# Altium PCB Kasli-DIOT.PCBDOC (part 11 of 21)
Units mm, origin at the board's own origin, x right, y up, seen from the top; angles counter-clockwise.
Board outline 222.34 x 100 mm, 10 copper layers (TopLayer, Layer 2, Layer 3, Layer 4, Layer 5, Layer 6, Layer 7, layer 8, Layer 9, BottomLayer), stack 1.564 mm thick; 974 components, 908 nets, 4662 pads, 2649 vias.
Unrouted connection lines stored in the file: 17.
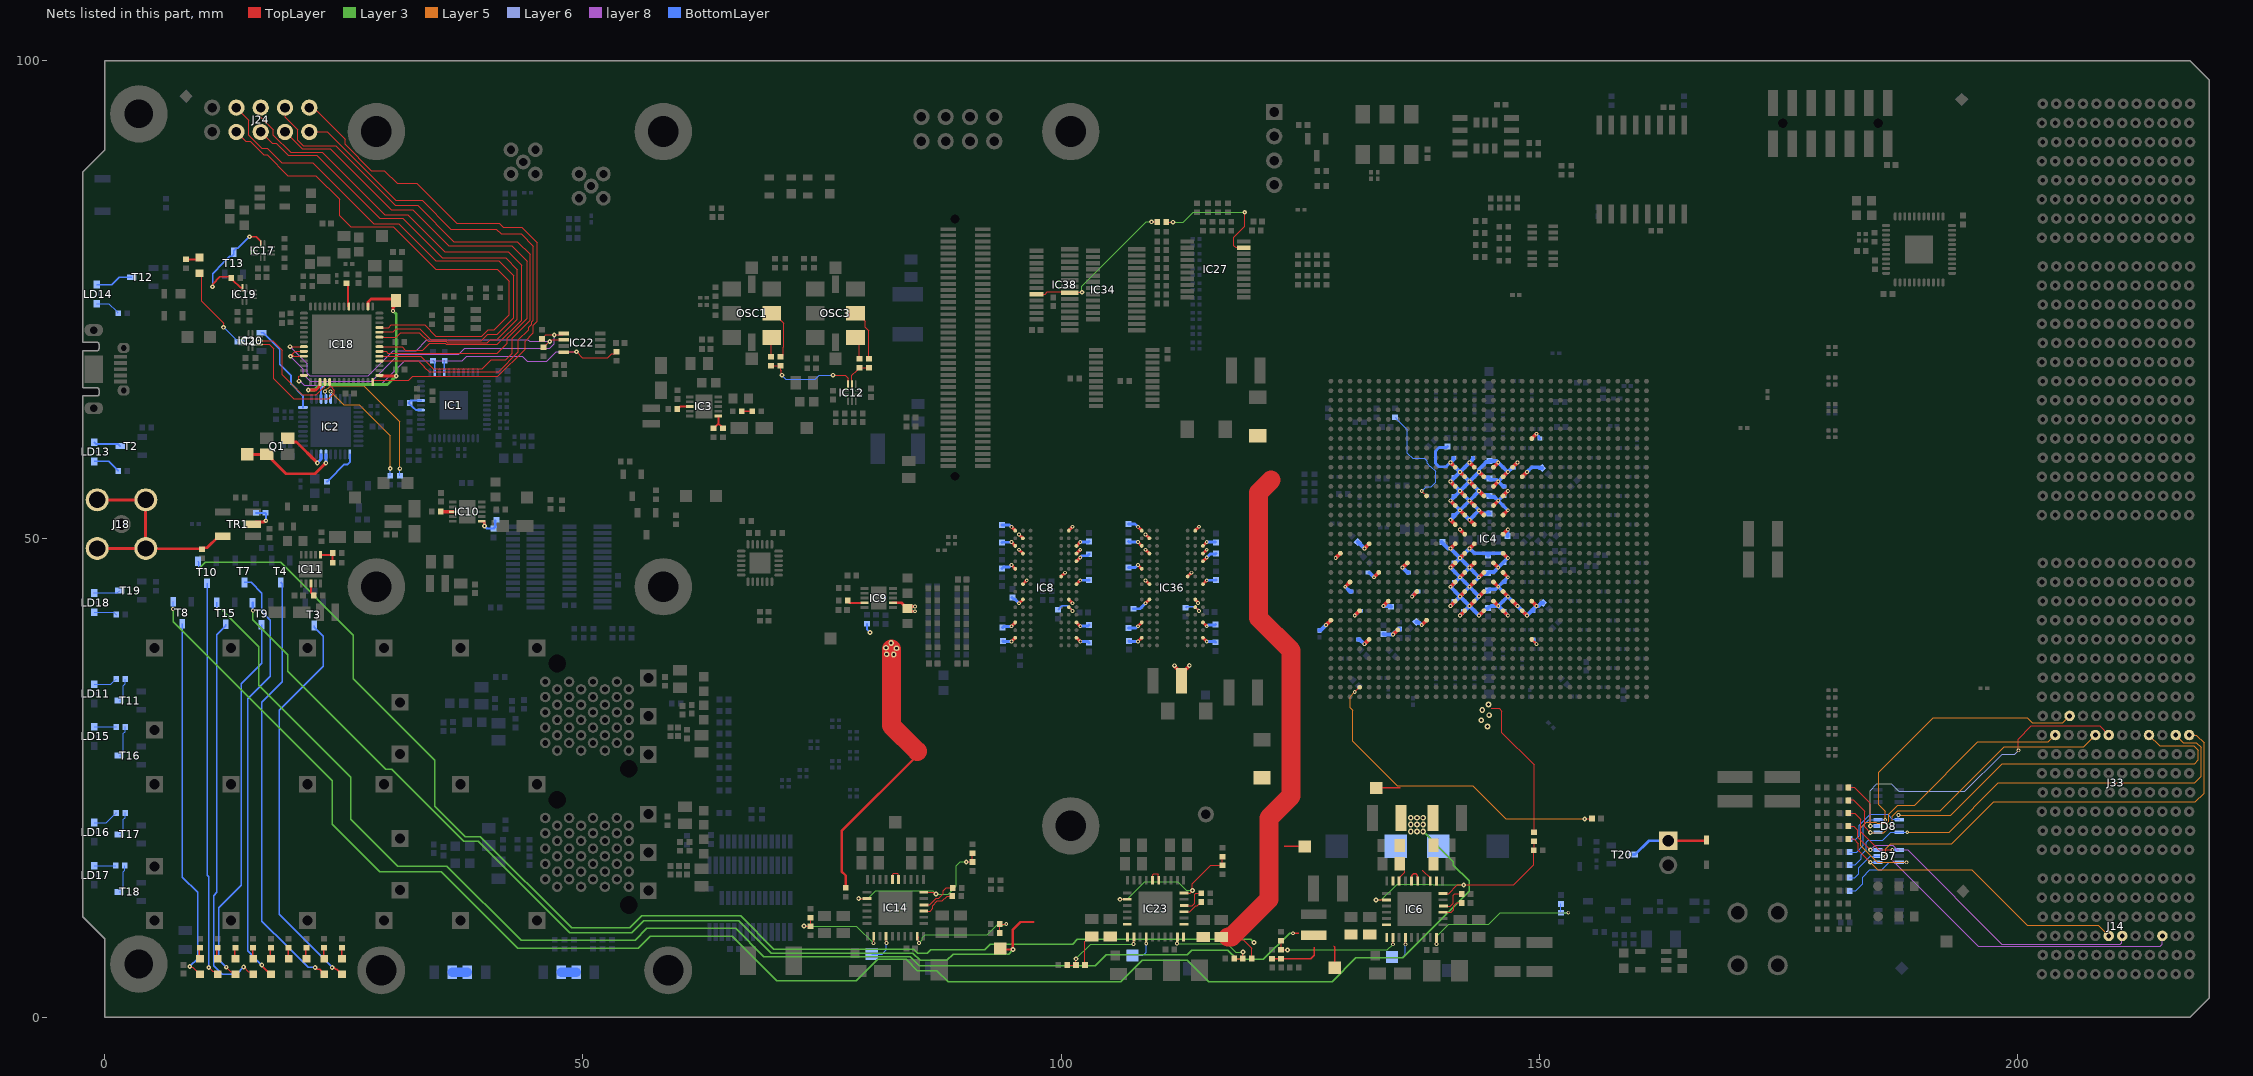
[diagram p19: the nets of this part, all layers, seen from the top]

## Via types
v1: diameter 0.4, hole 0.2, TopLayer to BottomLayer, tented both sides, 1661 vias
v2: diameter 0.5, hole 0.2, TopLayer to BottomLayer, tented both sides, 516 vias
v3: diameter 0.6, hole 0.3, TopLayer to BottomLayer, tented both sides, 175 vias
v4: diameter 0.6, hole 0.3, TopLayer to BottomLayer, 113 vias
v5: diameter 0.5, hole 0.2, TopLayer to BottomLayer, 110 vias
v6: diameter 0.4, hole 0.2, TopLayer to BottomLayer, 67 vias
v7: diameter 0.8, hole 0.5, TopLayer to BottomLayer, tented both sides, 7 vias

## Nets (pads, with @x,y where several pads share a name; then routed paths per layer and width w, separated by ;. In a path a pad name is that pad's centre, name@x,y a point inside that pad or via, vN(x,y) a via of type N, cw(c..) or ccw(c..) an arc to the next point about the centre after c; other vN are vias at no path point) (continued)
NetD7_1: D7.1 J14.C3 R276.2 | length 41.7
  TopLayer w0.127: R276.2@182.315,21.326 182.974,21.326 183.617,20.683 183.617,19.383 185.5,17.5 v1(186.9,17.5)
  layer 8 w0.1: v1(186.9,17.5) 186.9,16.4 195.9,7.4 214.9,7.4 215.139,7.639 J14.C3@215.139,8.5
  BottomLayer w0.127: v1(186.9,17.5) 187.616,17.5 D7.1@187.625,17.491
NetD7_3: D7.3 J33.K7 R272.2 | length 39.9
  Layer 5 w0.1: v1(188.391,16.191) 185.309,16.191 183.6,17.9 183.6,19.8 184.2,20.4 185.19,20.4 185.33,20.259 186.323,20.259 186.541,20.477 186.541,21.241 187.456,22.156 189.223,22.156 195.84,28.773 203.212,28.773 J33.K7@203.939,29.5
  BottomLayer w0.127: R272.2@182.47,13.2 183.075,13.2 183.8,13.925 183.8,14.641 184.559,15.4 185.8,15.4 186.591,16.191 D7.3@187.625,16.191 v1(188.391,16.191)
NetD7_4: D7.4 J14.G3 R280.2 | length 32.7
  TopLayer w0.127: R280.2@182.315,18.629 182.87,18.629 183.346,18.154 183.346,17.454 v2(184.6,16.2)
  Layer 5 w0.1: v2(184.6,16.2) 185.4,15.4 195.2,15.4 201,9.6 208.439,9.6 J14.G3@209.539,8.5
  BottomLayer w0.127: v2(184.6,16.2) 185.416,16.2 D7.4@185.425,16.191
NetD7_5: D7.5 J33.A7 R262.2 | length 48.7
  Layer 5 w0.1: v1(186.2,16.8) 186.2,17.6 186.725,18.125 193.125,18.125 197.5,22.5 218.6,22.5 219.5,23.4 219.5,28.7 218.7,29.5 J33.A7@217.939,29.5
  BottomLayer w0.127: R262.2@182.47,14.6 183,14.6 183.4,15 183.4,15.625 184.616,16.841 D7.5@185.425,16.841 185.466,16.8 v1(186.2,16.8)
NetD7_6: D7.6 J14.F3 R279.2 | length 36.1
  TopLayer w0.127: R279.2@182.315,19.978 182.844,19.978 183.264,19.557 183.264,18.836 v2(184.6,17.5)
  layer 8 w0.1: v2(184.6,17.5) 185.1,18 186.933,18 187.433,17.5 188.5,17.5 198.35,7.65 210.723,7.65 210.873,7.8 210.873,8.434 J14.F3@210.939,8.5
  BottomLayer w0.127: v2(184.6,17.5) 185.416,17.5 D7.6@185.425,17.491
NetD8_1: D8.1 J33.D7 R266.2 | length 48.1
  Layer 5 w0.1: v1(187.535,21.123) 193.023,21.123 198.4,26.5 218.5,26.5 218.9,26.9 218.9,27.9 218.4,28.4 214.839,28.4 J33.D7@213.739,29.5
  BottomLayer w0.127: R266.2@182.47,18.614 183.084,18.614 183.454,18.984 183.454,20.079 184.575,21.2 186.4,21.2 186.896,20.704 187.488,20.704 187.523,20.739 D8.1@187.625,20.636 ; D8.1@187.535,20.773 v1(187.535,21.123)
NetD8_3: D8.3 J33.B7 R263.2 | length 47.5
  Layer 5 w0.1: v1(188.464,19.336) 192.836,19.336 198,24.5 218.5,24.5 219.2,25.2 219.2,28.2 218.7,28.7 217.339,28.7 J33.B7@216.539,29.5
  BottomLayer w0.127: R263.2@182.47,15.921 183.021,15.921 183.65,16.55 183.65,16.975 184.169,17.494 184.169,18.295 184.374,18.5 185.9,18.5 186.736,19.336 D8.3@187.625,19.336 v1(188.464,19.336)
NetD8_4: D8.4 J33.H7 R269.2 | length 33.7
  TopLayer w0.127: R269.2@182.315,22.674 182.348,22.708 182.803,22.708 184,21.511 184,19.9 v2(184.6,19.3)
  Layer 5 w0.1: v2(184.6,19.3) 186,19.3 186.9,20.2 186.9,21.022 187.484,21.605 191.905,21.605 198.6,28.3 206.939,28.3 J33.H7@208.139,29.5
  BottomLayer w0.127: v2(184.6,19.3) 185.389,19.3 D8.4@185.425,19.336
NetD8_5: D8.5 J33.G7 R268.2 | length 39.4
  TopLayer w0.1: v1(200.1,27.9) 200.045,27.955 200.045,29.045 201.444,30.444 208.595,30.444 J33.G7@209.539,29.5
  TopLayer w0.127: R268.2@182.315,24.019 182.936,24.019 184.6,22.355 v2(184.6,20)
  Layer 6 w0.1: v2(184.6,20) 184.6,23.7 185.3,24.4 186.766,24.4 187.566,23.6 194.5,23.6 198.4,27.5 199.7,27.5 v1(200.1,27.9)
  BottomLayer w0.127: v2(184.6,20) 185.411,20 D8.5@185.425,19.986
NetD8_6: D8.6 J33.J8 R271.2 | length 34.4
  Layer 5 w0.1: v1(186.164,20.636) 186.164,21.536 185.5,22.2 185.5,25.6 191.2,31.3 201,31.3 201.527,30.773 204.712,30.773 J33.J8@205.439,31.5
  BottomLayer w0.127: R271.2@182.47,17.268 183.168,17.268 183.875,17.975 183.875,20.075 184.436,20.636 D8.6@185.425,20.636 v1(186.164,20.636)
NetD18_2: D18.2 J21.1 T20.3 | length 8.3
  TopLayer w0.3: J21.1@163.477,18.445 167.395,18.445 D18.2@167.475,18.525
  BottomLayer w0.3: T20.3@159.8,17 160,17 161.445,18.445 J21.1@163.477,18.445
NetIC1_24: IC1.24 R8.1 | length 1.3
  BottomLayer w0.19: R8.1@34.325,68.63 34.5,68.455 IC1.24@34.5,67.428
NetIC1_26: IC1.26 R7.1 | length 1.2
  BottomLayer w0.19: R7.1@35.475,68.63 35.5,68.605 IC1.26@35.5,67.428
NetIC2_1: IC2.1 R22.2 | length 4.1
  BottomLayer w0.2: R22.2@23.241,55.996 23.261,55.996 23.451,56.186 23.451,56.206 25.045,57.8 25.388,57.8 25.622,58.034 IC2.1@25.622,58.849
NetIC2_6: IC2.6 Q1.3 TP1.1 | length 10.4
  TopLayer w0.125: v2@23.064,57.989 v2@23.114,58.039
  TopLayer w0.3: TP1.1@15.05,58.85 16.924,58.85 Q1.3@16.934,58.84 18.953,56.821 21.996,56.821 v2(23.114,57.939)
  BottomLayer w0.3: v2(23.114,57.939) 23.122,57.947 IC2.6@23.122,58.849
NetIC2_7: IC2.7 Q1.1 | length 5.2
  TopLayer w0.3: Q1.1@19.134,60.495 19.502,60.127 20.057,60.127 v2@22.215,57.969
  BottomLayer w0.3: v2(22.225,57.939) 22.622,58.336 IC2.7@22.622,58.849
NetIC2_18: IC2.18 T1.1 | length 9.7
  BottomLayer w0.2: T1.1@16.39,71.562 16.59,71.562 18.3,69.852 18.3,68.275 19.487,67.088 19.487,66.213 20.722,64.978 IC2.18@20.722,63.749
NetIC2_21: IC2.21 R17.2 | length 1.4
  BottomLayer w0.2: IC2.21@22.622,64.649 22.6,64.671 22.6,65.995 R17.2@22.622,66.017
NetIC2_22: IC2.22 R237.2 | length 16
  Layer 5 w0.125: v1(23.025,65.425) 23.623,66.023 27.102,66.023 30.851,62.274 v2(30.851,57.349)
  BottomLayer w0.125: IC2.22@23.1,64.671 v1@23.1,65.35 ; R237.2@30.851,56.62 v2(30.851,57.349)
NetIC2_23: IC2.23 R236.2 | length 13.1
  Layer 5 w0.125: v1(23.606,65.411) 24.967,64.05 25.995,64.05 25.999,64.046 26.363,64.046 26.367,64.05 26.6,64.05 29.85,60.8 v2(29.85,57.375)
  BottomLayer w0.125: v1(23.606,65.411) 23.622,65.395 IC2.23@23.622,64.649 ; R236.2@29.85,56.62 v2(29.85,57.375)
NetIC3_3: IC3.3 R54.2 | length 1.4
  TopLayer w0.2: R54.2@59.87,63.6 59.87,63.62 60.06,63.81 60.137,63.81 60.177,63.85 IC3.3@61.15,63.85
NetIC3_6: IC3.6 R248.1 R251.2 | length 2.2
  TopLayer w0.2: R251.2@63.65,61.57 63.67,61.57 63.86,61.76 63.86,61.78 64.15,62.07 ; IC3.6@64.15,62.85 64.15,62.07 ; R248.1@64.65,61.57 64.63,61.57 64.44,61.76 64.44,61.78 64.15,62.07
NetIC4_AH22: IC4.AH22 R160.1 | length 1.4
  TopLayer w0.254: IC4.AH22@149.2,39.5 v1(149.7,39)
  BottomLayer w0.254: R160.1@149.37,39.5 149.39,39.5 149.473,39.417 149.473,39.267 149.7,39.04 v1(149.7,39)
NetIC4_AN4: IC4.AN4 R292.1 | length 34.6
  TopLayer w0.095: v1(130.7,34) IC4.AN4@131.2,34.5
  TopLayer w0.127: v2(154.747,20.732) 155.477,20.732 R292.1@155.501,20.756
  Layer 5 w0.127: v1(130.7,34) 130.225,33.525 130.225,32.35 130.475,32.1 130.475,28.84 135.136,24.179 143.011,24.179 146.458,20.732 v2(154.747,20.732)
NetIC4_G22: IC4.G22 R161.1 | length 1.4
  TopLayer w0.4: IC4.G22@149.2,60.5 v1(149.7,61)
  BottomLayer w0.254: v1(149.7,61) 149.7,60.96 149.927,60.733 149.927,60.583 150.01,60.5 R161.1@150.03,60.5
NetIC4_N11: IC4.N11 R52.2 | length 11.8
  TopLayer w0.095: v1(137.7,55) IC4.N11@138.2,54.5
  BottomLayer w0.095: R52.2@134.921,62.704 135.162,62.462 135.162,62.442 136.208,61.397 136.208,58.962 136.745,58.425 137.975,58.425 138.26,58.14 138.26,57.91 138.545,57.626 138.604,57.626 139.175,57.055 139.175,55.945 138.681,55.452 138.152,55.452 v1(137.7,55)
NetIC6_3: IC6.3 R21.2 | length 2.6
  TopLayer w0.1: IC6.3@139.925,10.967 140.792,10.967 141.041,11.216 141.041,11.641 141.354,11.954 R21.2@141.86,11.954
NetIC6_4: IC6.4 R27.2 | length 2.9
  TopLayer w0.1: IC6.4@139.962,11.605 140.68,11.605 141,11.925 141,12.725 141.161,12.886 R27.2@141.86,12.886
NetIC6_6: IC6.6 IC6.18 R16.1 R24.2 | length 24.2
  TopLayer w0.127: v2(132.914,12.258) 132.919,12.263 133.996,12.263 IC6.18@134,12.267 ; IC6.6@139.925,12.925 140.525,12.925 141.422,13.822 147.322,13.822 149.422,15.922 R24.2@149.422,17.455 149.442,17.475 R16.1@149.442,18.385
  Layer 3 w0.127: v2(132.914,12.258) 133.483,12.258 135.129,13.904 138.81,13.904 138.892,13.822 v2(142.093,13.822)
NetIC6_11: IC6.11 IC6.12 | length 1.9
  TopLayer w0.16: IC6.12@136.638,14.255 136.68,14.297 136.68,14.844 136.811,14.975 137.112,14.975 137.244,14.843 137.244,14.298 IC6.11@137.288,14.255
NetIC6_24: IC6.24 R37.2 R39.1 | length 13.6
  TopLayer w0.127: R37.2@122.986,7.985 R39.1@122.986,7.05 123.011,7.025 v2(123.65,7.025) ; IC6.24@134.688,8.33 134.694,8.323 134.694,7.624 v1(134.7,7.617)
  Layer 3 w0.127: v2(123.65,7.025) 134.108,7.025 v1(134.7,7.617)
NetIC6_26: IC6.26 TP5.1 | length 3.3
  TopLayer w0.127: IC6.26@135.988,8.33 135.994,8.323 135.994,7.624 v1(136,7.617)
  BottomLayer w0.127: TP5.1@134.602,6.29 135.69,6.29 136,6.6 v1(136,7.617)
NetIC6_31: IC6.31 R31.1 R32.2 | length 18
  TopLayer w0.127: v1(139.239,7.635) IC6.31@139.237,8.33
  Layer 3 w0.127: v1(139.239,7.635) 139.239,8.414 140.55,9.725 144.725,9.725 145.925,10.925 v1(153.025,10.925)
  BottomLayer w0.127: R31.1@152.25,11.835 R32.2@152.25,10.925 v1(153.025,10.925)
NetIC8_L8: IC8.L8 R99.2 | length 2.5
  TopLayer w0.22: IC8.L8@100.8,42.875 100.8,42.878 v1(101.2,42.478)
  BottomLayer w0.15: R99.2@99.675,42.62 99.695,42.62 99.91,42.835 99.91,42.855 100.087,43.032 100.645,43.032 v1(101.2,42.478)
NetIC9_9: IC9.9 R127.1 | length 1.5
  TopLayer w0.2: R127.1@77.889,43.325 IC9.9@79.419,43.325
NetIC10_3: IC10.3 R253.2 | length 1.3
  TopLayer w0.4: R253.2@35.12,52.85 IC10.3@36.4,52.85
NetIC10_6: IC10.6 R254.1 R256.1 | length 2.7
  TopLayer w0.25: IC10.6@39.4,51.85 39.65,51.85 39.675,51.825 39.675,51.575 39.7,51.55 v2(39.7,51.35)
  BottomLayer w0.25: v2(39.7,51.35) 39.707,51.35 39.962,51.095 R256.1@40.625,51.095 ; R256.1@40.645,51.095 40.81,51.26 40.81,51.39 40.826,51.406 R254.1@40.826,51.889
NetIC11_3: IC11.3 R56.2 | length 1.4
  TopLayer w0.2: IC11.3@21.55,45.337 21.55,44.387 21.83,44.107 R56.2@21.83,44.087
NetIC11_6: IC11.6 R250.1 R252.1 | length 2.1
  TopLayer w0.2: IC11.6@22.553,48.265 22.553,48.275 22.603,48.325 R250.1@23.643,48.325 ; R252.1@23.833,47.515 R250.1@23.833,48.515
NetIC12_4: IC12.4 R97.1 R98.2 | length 3
  TopLayer w0.125: IC12.4@78.125,66.2 78.125,67.105 78.653,67.633 78.653,67.653 78.88,67.88 R98.2@78.9,67.88 R97.1@79.9,67.88
NetIC12_5: IC12.5 R36.1 R38.2 | length 10
  TopLayer w0.125: R38.2@69.675,68.105 R36.1@70.675,68.105 70.675,67.627 70.74,67.562 70.74,67.185 v2(70.8,67.125) ; v2(76.15,67.125) 76.175,67.1 77.4,67.1 77.712,66.788 77.712,66.213 IC12.5@77.725,66.2
  BottomLayer w0.125: v2(70.8,67.125) 71.202,66.723 74.282,66.723 74.684,67.125 v2(76.15,67.125)
NetIC14_3: IC14.3 R48.2 | length 3.8
  TopLayer w0.1: IC14.3@85.637,11.1 86.3,11.1 86.575,11.375 86.575,11.675 87.05,12.15 87.575,12.15 88.075,12.65 R48.2@88.63,12.65
NetIC14_4: IC14.4 R51.2 | length 3.9
  TopLayer w0.1: IC14.4@85.675,11.738 86.238,11.738 86.919,12.419 87.194,12.419 87.679,12.904 87.679,13.196 88.009,13.525 R51.2@88.68,13.525
NetIC14_6: IC14.6 IC14.18 R47.2 R49.1 | length 18.2
  TopLayer w0.127: v2(78.825,12.4) IC14.18@79.712,12.4 ; IC14.6@85.637,13.058 86.616,13.058 86.799,12.875 v2(86.9,12.875) ; v2(90.075,16.225) R47.2@90.725,16.225 R49.1@90.725,17.16
  Layer 3 w0.127: v2(78.825,12.4) 78.866,12.441 79.815,12.441 80.588,13.213 86.562,13.213 v2(86.9,12.875) 88.2,12.875 89.05,13.725 89.05,15.825 89.45,16.225 v2(90.075,16.225)
NetIC14_11: IC14.11 IC14.12 | length 1.8
  TopLayer w0.127: IC14.12@82.35,14.388 82.399,14.437 82.399,14.966 82.474,15.04 82.876,15.04 82.951,14.966 82.951,14.437 IC14.11@83,14.388
NetIC14_24: IC14.24 R62.1 R64.2 | length 10.4
  TopLayer w0.127: v2(73.1,9.525) 73.791,9.525 73.806,9.54 R64.2@73.806,10.475 ; v1(80.38,7.737) 80.39,7.747 80.39,8.452 IC14.24@80.4,8.463
  Layer 3 w0.127: v2(73.1,9.525) 78.591,9.525 v1(80.38,7.737)
NetIC14_26: IC14.26 TP34.1 | length 3.1
  TopLayer w0.127: IC14.26@81.7,8.463 81.711,8.452 81.711,7.774 v1(81.721,7.764)
  BottomLayer w0.127: TP34.1@80.2,6.6 81.275,6.6 81.721,7.046 v1(81.721,7.764)
NetIC14_31: IC14.31 R156.1 R157.2 | length 12.5
  TopLayer w0.127: IC14.31@84.95,8.463 85.036,8.376 85.036,7.946 85.137,7.845 v6(85.137,7.771) ; R156.1@93.57,8.8 93.595,8.825 R157.2@93.595,9.75 93.616,9.729 v6(94.26,9.729)
  Layer 3 w0.127: v6(85.137,7.771) 85.477,8.111 85.477,8.312 85.765,8.6 92.25,8.6 93.325,9.675 93.701,9.675 93.776,9.6 93.881,9.6 93.958,9.677 94.208,9.677 v6(94.26,9.729)
NetIC17_2: IC17.2 IC19.2 R194.1 T13.3 | length 13.7
  TopLayer w0.15: v2(11.275,76.375) 11.275,76.652 12.023,77.4 R194.1@13.175,77.4 ; R194.1@13.208,77.125 13.35,77.125 14.21,76.265 IC19.2@14.405,76.265 ; v2(15.125,81.6) 15.85,81.6 16.31,81.14 IC17.2@16.31,80.837
  BottomLayer w0.15: v2(11.275,76.375) 11.275,77.75 12.412,78.888 ; v2(15.125,81.6) 13.909,80.384 13.725,80.384 13.5,80.159 T13.3@13.5,79.975 13.5,79.791 13.275,79.566 13.091,79.566 ; 12.412,78.888 13.091,79.566 ; 12.412,78.888 13.091,79.566
NetIC18_6: IC18.6 R199.2 | length 2.5
  TopLayer w0.2: R199.2@25.273,76.746 25.444,76.575 25.444,74.379 IC18.6@25.515,74.308
NetIC18_22: IC18.22 IC22.6 R207.1 | length 34.5
  TopLayer w0.125: v2(19.383,70.108) IC18.22@20.815,70.108 ; R207.1@45.85,70.1 45.964,70.1 46.689,70.825 IC22.6@48,70.825
  layer 8 w0.125: v2(19.383,70.108) 21.175,68.316 21.175,67.35 21.45,67.075 27.525,67.075 30.15,69.7 32.55,69.7 33.675,70.825 44.25,70.825 44.425,70.65 v2(46.525,70.65)
NetIC18_23: IC18.23 IC18.24 IC22.5 R206.1 | length 37.1
  TopLayer w0.125: 19.75,69.1 19.742,69.108 ; IC18.24@20.815,69.108 19.742,69.108 ; IC18.23@20.815,69.608 19.908,69.608 19.613,69.313 ; R206.1@45.95,71.15 45.95,71.155 46.132,71.338 v2(46.997,71.338) 47.862,71.338 IC22.5@48,71.475 ; 19.613,69.313 v2(19.408,69.108) 19.742,69.108 ; 19.613,69.313 19.613,69.237 19.742,69.108
  layer 8 w0.125: v2(19.408,69.108) 20.75,67.766 20.75,67.2 21.475,66.475 27.931,66.475 30.756,69.3 37,69.3 37.625,69.925 46.525,69.925 46.997,70.397 v2(46.997,71.338)
NetIC18_28: IC18.28 IC22.8 R208.2 | length 38.4
  TopLayer w0.125: v2(20.3,66.5) 20.3,67 20.375,67.075 20.782,67.075 IC18.28@20.815,67.108 ; IC22.8@48,69.525 48.05,69.575 v2(49.325,69.575) 49.95,68.95 52.6,68.95 52.993,69.343 53.272,69.343 R208.2@53.5,69.57
  layer 8 w0.125: v2(20.3,66.5) 20.3,66.625 20.877,66.048 28.78,66.048 31.369,68.638 37.363,68.638 37.825,69.1 43.65,69.1 44.173,68.577 46.199,68.577 47.197,69.575 v2(49.325,69.575)
NetIC18_32: IC18.32 IC20.9 | length 11.6
  TopLayer w0.125: IC20.9@16.14,70.739 17.586,70.739 18.575,69.75 18.575,67.15 19.095,66.63 20.65,65.075 22.127,65.075 23.015,65.963 IC18.32@23.015,66.408
NetIC18_33: IC18.33 IC20.8 | length 13.6
  TopLayer w0.125: IC20.8@16.14,70.339 17.211,70.339 17.675,69.875 17.675,66.775 19.775,64.675 23.418,64.675 23.994,65.25 23.994,65.571 23.515,66.05 IC18.33@23.515,66.408
NetIC18_42: IC18.42 J24.1 | length 59.1
  TopLayer w0.1: J24.1@21.387,95.098 21.852,95.098 25.15,91.8 25.15,91.254 27.879,88.525 29.225,88.525 30.575,87.175 32.625,87.175 36.8,83 41.236,83 41.65,82.586 43.586,82.586 45.225,80.947 45.225,72.75 44.825,72.35 44.825,71.55 43.95,70.675 43.95,69.85 41.1,67 32.2,67 31.781,66.581 28.021,66.581 28.015,66.575 IC18.42@28.015,66.408
NetIC18_46: IC18.46 J24.2 | length 56
  TopLayer w0.1: J24.2@21.387,92.558 23.242,92.558 30.4,85.4 33.2,85.4 36.2,82.4 40.936,82.4 41.437,81.899 43.526,81.899 44.825,80.6 44.825,72.875 44.65,72.7 44.65,72.462 44.325,72.137 44.325,71.9 43.25,70.825 43.25,69.55 41.175,67.475 33.923,67.475 33.425,67.973 33.425,67.992 32.792,68.625 28.732,68.625 IC18.46@28.715,68.608
NetIC18_47: IC18.47 J24.3 | length 59.4
  TopLayer w0.1: J24.3@18.847,95.098 18.847,94.113 20.2,92.76 20.2,91.7 20.775,91.125 24.15,91.125 30.375,84.9 32.7,84.9 36.5,81.1 43.15,81.1 44.491,79.759 44.491,72.891 42.6,71 42.6,69.425 41.913,68.738 40.43,68.738 39.467,67.775 34.355,67.775 33.022,69.108 IC18.47@28.715,69.108
NetIC18_48: IC18.48 J24.4 | length 54.2
  TopLayer w0.1: J24.4@18.847,92.558 20.629,90.775 23.571,90.775 29.946,84.4 32.2,84.4 35.95,80.65 42.562,80.65 44.15,79.062 44.15,73.058 42.086,70.994 42.086,70.467 41.045,69.425 29.6,69.425 29.417,69.608 IC18.48@28.715,69.608
NetIC18_49: IC18.49 J24.5 | length 57.2
  TopLayer w0.1: J24.5@16.307,95.098 16.307,94.113 17.625,92.795 17.625,92.224 19.424,90.425 22.725,90.425 29.25,83.9 31.7,83.9 35.575,80.025 42.187,80.025 43.586,78.626 43.586,72.862 41.063,70.339 35.73,70.339 35.616,70.452 33.961,70.452 33.259,69.75 31.437,69.75 31.087,70.1 28.723,70.1 IC18.49@28.715,70.108
NetIC18_51: IC18.51 J24.6 | length 54
  TopLayer w0.1: J24.6@16.307,92.558 17.495,91.37 17.955,91.37 19.2,90.125 22.176,90.125 28.751,83.55 31.15,83.55 35.287,79.413 41.901,79.413 43.15,78.164 43.15,72.991 41.012,70.852 40.302,70.852 39.989,70.539 35.812,70.539 35.699,70.652 33.798,70.652 32.9,71.55 30.942,71.55 30.5,71.108 IC18.51@28.715,71.108
NetIC18_52: IC18.52 J24.7 | length 57.3
  TopLayer w0.1: J24.7@13.767,95.098 15.075,93.789 15.075,92.234 16.434,90.875 16.975,90.875 18.525,89.325 21.725,89.325 28.1,82.95 30.75,82.95 34.625,79.075 41.207,79.075 42.766,77.516 42.766,73.125 41.03,71.389 40.039,71.389 39.389,70.739 35.895,70.739 35.782,70.852 34.073,70.852 32.95,71.975 30.5,71.975 30.175,71.65 28.757,71.65 IC18.52@28.715,71.608
NetIC18_53: IC18.53 J24.8 | length 54.6
  TopLayer w0.1: J24.8@13.767,92.558 14.727,91.597 15.203,91.597 16.65,90.15 17,90.15 19.15,88 22.062,88 24.55,85.512 24.55,83.779 25.697,82.632 30.154,82.632 34.586,78.2 41.02,78.2 42.273,76.947 42.273,73.429 40.723,71.878 40.073,71.878 39.396,71.201 34.624,71.201 33.45,72.375 29.942,72.375 29.675,72.108 IC18.53@28.715,72.108
NetIC23_3: IC23.3 R65.2 | length 2.2
  TopLayer w0.1: IC23.3@112.838,11.025 113.47,11.025 114.071,11.626 114.253,11.626 R65.2@114.66,12.033
NetIC23_4: IC23.4 R67.2 | length 2.8
  TopLayer w0.1: IC23.4@112.875,11.663 113.688,11.663 113.961,11.936 113.961,12.836 114.086,12.961 R67.2@114.66,12.961
NetIC23_6: IC23.6 IC23.18 R5.1 R26.2 | length 16.1
  TopLayer w0.127: v5(106.15,12.325) IC23.18@106.913,12.325 ; IC23.6@112.838,12.983 112.884,12.937 113.473,12.937 113.725,13.189 v5(113.725,13.25) 113.725,13.95 115.645,15.87 R26.2@116.85,15.87 R5.1@116.85,16.78
  Layer 3 w0.127: v5(106.15,12.325) 106.913,12.325 108.738,14.15 112.2,14.15 113.1,13.25 v5(113.725,13.25)
NetIC23_11: IC23.11 IC23.12 | length 1.8
  TopLayer w0.127: IC23.12@109.549,14.325 109.598,14.375 109.598,14.904 109.673,14.978 110.075,14.978 110.149,14.904 110.149,14.375 IC23.11@110.199,14.325
NetIC23_24: IC23.24 R59.1 R60.2 | length 9
  TopLayer w0.127: R60.2@100.655,5.446 R59.1@101.549,5.446 ; R59.1@101.55,5.447 v2(101.55,6.1) ; v1(107.566,7.648) 107.583,7.665 107.583,8.371 IC23.24@107.6,8.387
  Layer 3 w0.127: v2(101.55,6.1) 103.098,7.648 v1(107.566,7.648)
NetIC23_26: IC23.26 TP36.1 | length 3.2
  TopLayer w0.127: v1(108.9,7.7) IC23.26@108.9,8.387
  BottomLayer w0.127: TP36.1@107.457,6.45 108.55,6.45 108.9,6.8 v1(108.9,7.7)
NetIC23_31: IC23.31 R152.1 R153.2 | length 9.5
  TopLayer w0.127: v6(112.125,7.7) 112.15,7.7 IC23.31@112.15,8.387 ; R153.2@118.1,6.126 R152.1@118.985,6.126 119,6.141 v2(119,6.8)
  Layer 3 w0.127: v6(112.125,7.7) 117.375,7.7 118.275,6.8 v2(119,6.8)
NetIC36_L8: IC36.L8 R100.2 | length 2.2
  TopLayer w0.22: IC36.L8@114.025,42.875 114.025,42.878 v1(114.425,42.478)
  BottomLayer w0.15: R100.2@113,42.795 113.116,42.911 113.992,42.911 v1(114.425,42.478)
NetJ18_2: J18.2 R214.2 TR1.4 | length 23.1
  TopLayer w0.3: J18.2@-0.522,49.01 J18.2@4.19,49.01 ; J18.2@-0.522,54.09 4.258,54.09 J18.2@4.258,49.01 ; J18.2@4.222,48.977 10.14,48.977 R214.2@10.173,48.945 ; R214.2@10.248,49.085 10.702,49.085 11.89,50.272 TR1.4@12.335,50.272
NetLD1_1: LD1.1 T1.3 | length 8.8
  TopLayer w0.125: LD1.1@9.9,77.775 10.15,77.525 10.15,74.85 12.425,72.575 v2(12.425,72.125)
  BottomLayer w0.125: v2(12.425,72.125) T1.3@13.938,70.612
NetLD1_2: LD1.2 R15.1 | length 1.3
  TopLayer w0.2: R15.1@8.494,79.236 9.664,79.236 LD1.2@9.775,79.125
NetLD2_1: LD2.1 T3.3 | length 41.7
  TopLayer w0.15: v2(23.775,5.2) 23.947,5.2 24.152,4.996 24.254,4.996 24.561,4.689 24.561,4.587 LD2.1@24.765,4.382
  BottomLayer w0.15: T3.3@21.9,40.95 21.9,40.75 22.838,39.812 22.838,36.688 18.225,32.075 18.225,10.75 v2(23.775,5.2)
NetLD2_2: LD2.2 R44.1 | length 1.2
  TopLayer w0.15: LD2.2@24.765,6.032 R44.1@24.765,7.277
NetLD3_1: LD3.1 T4.3 | length 45.2
  TopLayer w0.15: v2(22,5.2) 22.204,4.996 22.454,4.996 22.613,4.837 22.613,4.587 LD3.1@22.818,4.382
  BottomLayer w0.15: T4.3@18.4,45.45 18.55,45.3 18.55,35.05 16.425,32.925 16.425,10.045 19.127,7.343 21.27,5.2 v2(22,5.2)
NetLD3_2: LD3.2 R55.1 | length 1.2
  TopLayer w0.15: LD3.2@22.902,6.032 R55.1@22.902,7.277
NetLD5_1: LD5.1 T7.3 | length 44.6
  TopLayer w0.15: v2(16.425,5.45) 16.425,5.4 17.314,4.511 LD5.1@17.314,4.382
  BottomLayer w0.15: T7.3@14.6,45.45 15.293,45.45 16.4,44.343 16.4,42.4 17.3,41.5 17.3,35.67 14.936,33.306 14.936,6.939 v2(16.425,5.45)
NetLD5_2: LD5.2 R88.1 | length 1.2
  TopLayer w0.15: LD5.2@17.314,6.032 R88.1@17.314,7.277
NetLD6_1: LD6.1 T8.3 | length 38.2
  TopLayer w0.125: v2(8.89,5.31) 8.959,5.241 9.19,5.241 LD6.1@9.956,4.475
  BottomLayer w0.15: T8.3@8.1,41.15 8.1,14.64 9.7,13.04 9.7,6.12 v2(8.89,5.31)
NetLD6_2: LD6.2 R89.1 | length 1.2
  TopLayer w0.15: LD6.2@9.864,6.032 R89.1@9.864,7.277
NetLD7_1: LD7.1 T9.3 | length 39.3
  TopLayer w0.125: v2(12.7,5.225) 13.152,4.773 13.369,4.773 LD7.1@13.667,4.475
  BottomLayer w0.15: v2(12.7,5.225) 11.9,6.025 11.9,11.45 14.25,13.8 14.25,34.85 16.4,37 T9.3@16.4,41.05
NetLD7_2: LD7.2 R90.1 | length 1.2
  TopLayer w0.15: LD7.2@13.589,6.032 R90.1@13.589,7.277
NetLD8_1: LD8.1 T10.3 | length 41.5
  TopLayer w0.125: v2(10.875,5.2) 11.298,4.777 11.509,4.777 LD8.1@11.811,4.475
  BottomLayer w0.15: T10.3@10.7,45.35 10.7,14.85 10.875,14.675 v2(10.875,5.2)
NetLD8_2: LD8.2 R91.1 | length 1.2
  TopLayer w0.15: LD8.2@11.726,6.032 R91.1@11.726,7.277
NetLD9_2: LD9.2 R86.1 | length 1.2
  TopLayer w0.15: LD9.2@21.04,6.032 R86.1@21.04,7.277
NetLD10_2: LD10.2 R87.1 | length 1.2
  TopLayer w0.15: LD10.2@19.177,6.032 R87.1@19.177,7.277
NetLD11_1: LD11.1 R143.2 | length 2.5
  BottomLayer w0.125: LD11.1@-1.1,34.8 0.63,34.8 0.933,35.103 0.953,35.103 1.18,35.33 R143.2@1.18,35.35
NetLD12_1: LD12.1 T15.3 | length 41.3
  TopLayer w0.125: v2(14.525,5.25) 15.008,4.767 15.23,4.767 LD12.1@15.522,4.475
  BottomLayer w0.15: T15.3@12.65,41.1 12.65,40.9 11.722,39.972 11.722,13.04 11.4,12.718 11.4,5.396 12.296,4.5 13.775,4.5 v2(14.525,5.25)
NetLD12_2: LD12.2 R74.1 | length 1.2
  TopLayer w0.15: LD12.2@15.452,6.032 R74.1@15.452,7.277
NetLD13_1: LD13.1 T2.3 | length 2.9
  BottomLayer w0.2: LD13.1@-1.1,60.1 -0.912,59.912 1.403,59.912 T2.3@1.603,59.712
NetLD13_2: LD13.2 R11.1 | length 3
  BottomLayer w0.15: LD13.2@-1.1,58.1 0.43,58.1 1.195,57.335 1.215,57.335 1.43,57.12 R11.1@1.43,57.1
NetLD14_1: LD14.1 T12.3 | length 4
  BottomLayer w0.15: LD14.1@-0.85,76.6 0.725,76.6 1.5,77.375 T12.3@2.8,77.375
NetLD14_2: LD14.2 R20.1 | length 2.6
  BottomLayer w0.125: LD14.2@-0.85,74.6 0.425,74.6 1.177,73.848 1.203,73.848 1.375,73.675 R20.1@1.375,73.65
NetLD15_1: LD15.1 R142.2 | length 2.3
  BottomLayer w0.125: LD15.1@-1.1,30.35 R142.2@1.18,30.35
NetLD16_1: LD16.1 R216.2 | length 2.7
  BottomLayer w0.125: LD16.1@-1.1,20.35 0.18,20.35 0.933,21.103 0.953,21.103 1.18,21.33 R216.2@1.18,21.35
NetLD17_1: LD17.1 R220.2 | length 2.3
  BottomLayer w0.125: LD17.1@-1.1,15.85 R220.2@1.15,15.85
NetLD18_1: LD18.1 T19.3 | length 2.8
  BottomLayer w0.125: LD18.1@-1.1,44.35 -1.088,44.362 1.313,44.362 T19.3@1.551,44.6
NetLD18_2: LD18.2 R226.1 | length 2.4
  BottomLayer w0.125: LD18.2@-1.1,42.35 -1.077,42.327 0.953,42.327 R226.1@1.18,42.1
NetOSC1_1: OSC1.1 R38.1 | length 2
  TopLayer w0.125: R38.1@69.675,69.045 69.675,70.96 OSC1.1@69.75,71.035
NetOSC1_2: OSC1.2 R36.2 | length 5.3
  TopLayer w0.125: OSC1.2@69.75,73.575 69.975,73.575 70.976,72.574 70.976,70.122 70.922,70.068 70.922,69.272 70.695,69.045 R36.2@70.675,69.045
NetOSC3_1: OSC3.1 R98.1 | length 2.4
  TopLayer w0.125: OSC3.1@78.5,71.035 78.9,70.635 R98.1@78.9,68.82
NetOSC3_2: OSC3.2 R97.2 | length 5.5
  TopLayer w0.125: OSC3.2@78.5,73.575 78.725,73.575 79.513,72.787 79.513,72.162 79.9,71.774 R97.2@79.9,68.82
NetR10_1: R10.1 R28.2 | length 1.1
  TopLayer w0.2: R10.1@66.62,63.35 R28.2@67.68,63.35
NetR69_2: R69.2 R70.1 | length 1.5
  BottomLayer w1: R69.2@47.75,4.7 R70.1@49.3,4.7
NetR71_2: R71.2 R72.1 | length 1.6
  BottomLayer w1: R72.1@36.35,4.7 R71.2@37.913,4.7
NetR139_2: R139.2 R154.1 TR1.2 | length 3.3
  TopLayer w0.3: TR1.2@15.547,51.51 15.809,51.772 16.653,51.772 16.784,51.904 v2(16.838,51.904)
  BottomLayer w0.2: R154.1@15.8,52.73 R139.2@16.8,52.73 16.838,52.692 v2(16.838,51.904)
NetR142_1: R142.1 T16.3 | length 3.4
  BottomLayer w0.125: T16.3@1.5,27.35 1.7,27.35 1.937,27.587 1.937,29.67 2.12,29.853 R142.1@2.12,30.35
NetR143_1: R143.1 T11.3 | length 2.6
  BottomLayer w0.125: T11.3@1.5,33.1 1.7,33.1 1.937,33.337 1.937,34.67 2.12,34.853 R143.1@2.12,35.35
NetR216_1: R216.1 T17.3 | length 2.6
  BottomLayer w0.125: T17.3@1.5,19.1 1.7,19.1 1.937,19.337 1.937,20.67 2.12,20.853 R216.1@2.12,21.35
NetR220_1: R220.1 T18.3 | length 3.1
  BottomLayer w0.125: T18.3@1.5,13.1 1.7,13.1 1.937,13.337 1.937,15.2 2.09,15.352 R220.1@2.09,15.85
O\E\: IC27.19 R147.2 | length 13.7
  TopLayer w0.127: R147.2@110.992,83.143 111.011,83.124 v2(111.7,83.124) ; IC27.19@119.086,80.461 119.069,80.477 118.242,80.477 118.036,80.683 118.036,81.521 119.191,82.675 v2(119.191,84.161)
  Layer 3 w0.127: v2(111.7,83.124) 112.785,83.124 113.822,84.161 v2(119.191,84.161)
O\E\b: IC34.8 IC38.20 R147.1 | length 16.2
  TopLayer w0.127: IC38.20@97.436,75.586 98.317,75.586 98.558,75.826 100.796,75.826 IC34.8@100.886,75.736 100.951,75.8 v2(102.172,75.8) ; v2(109.439,83.159) 110.036,83.159 R147.1@110.052,83.143
  Layer 3 w0.127: v2(102.172,75.8) 102.172,76.426 108.905,83.159 v2(109.439,83.159)
OE: IC1.16 IC1.18 R4.1 | length 3
  BottomLayer w0.2: IC1.16@33.05,63.478 33.031,63.497 32.514,63.497 32.279,63.732 32.243,63.732 31.77,64.205 31.77,64.225 31.77,64.245 32.003,64.478 IC1.18@33.05,64.478
P1V0: C42.2 C48.2 C91.1 C95.2 C102.2 C103.2 C104.2 C105.2 C106.2 C107.2 C108.2 C110.2 C111.2 C123.2 C124.2 C130.2 C131.2 C134.2 C135.2 C143.2 C346.1 C352.2 C355.2 C356.2 C357.2 C358.2 C359.2 C360.2 C361.2 C373.2 C374.2 C375.2 C376.2 C377.2 C378.2 C379.2 C380.2 IC4.AA15 IC4.AA17 IC4.AA19 IC4.AB14 IC4.AB16 IC4.AB18 IC4.AC15 IC4.AC17 IC4.AC19 IC4.AD14 IC4.AD16 IC4.AD18 IC4.AD20 IC4.AD22 IC4.AE15 IC4.AE17 IC4.AE19 IC4.AE21 IC4.K14 IC4.K16 IC4.K18 IC4.K20 IC4.L15 IC4.L17 IC4.L19 IC4.L21 IC4.M14 IC4.M16 IC4.M18 IC4.N15 IC4.N17 IC4.N19 IC4.P14 IC4.P16 IC4.P18 IC4.R15 IC4.R17 IC4.R19 IC4.T14 IC4.T16 IC4.U15 IC4.U19 IC4.V14 IC4.V16 IC4.W15 IC4.W19 IC4.Y14 IC4.Y16 IC4.Y18 IC6.8 IC6.9 IC6.14 IC6.15 R16.2 T8.1 TP9.1 | length 331.9
  TopLayer w0.127: IC6.14@135.338,14.255 135.338,14.567 135.925,15.154 135.925,15.325 ; 137.825,15.375 137.825,15.33 138.588,14.567 IC6.9@138.588,14.255 ; 144.975,32.275 145.8,32.275 146.075,32 146.075,29.741 149.442,26.374 R16.2@149.442,19.325
  TopLayer w0.15: TP9.1@132.95,23.975 135.475,23.975 ; TP9.1@132.961,23.975 132.961,23.964 133.51,23.415 TP9.1@133.521,23.415
  TopLayer w0.4: v1(140.7,43) IC4.AD14@141.2,43.5 ; v1(140.7,45) IC4.AB14@141.2,45.5 ; v1(140.7,47) IC4.Y14@141.2,47.5 ; v1(140.7,49) IC4.V14@141.2,49.5 ; v1(140.7,52) IC4.T14@141.2,51.5 ; v1(140.7,54) IC4.P14@141.2,53.5 ; v1(140.7,56) IC4.M14@141.2,55.5 ; v1(140.7,58) IC4.K14@141.2,57.5 ; v1(141.7,42) IC4.AE15@142.2,42.5 ; v1(141.7,44) IC4.AC15@142.2,44.5 ; v1(141.7,46) IC4.AA15@142.2,46.5 ; v1(141.7,48) IC4.W15@142.2,48.5 ; v1(141.7,51) IC4.U15@142.2,50.5 ; v1(141.7,53) IC4.R15@142.2,52.5 ; v1(141.7,55) IC4.N15@142.2,54.5 ; v1(141.7,57) IC4.L15@142.2,56.5 ; v1(142.7,43) IC4.AD16@143.2,43.5 ; v1(142.7,45) IC4.AB16@143.2,45.5 ; v1(142.7,47) IC4.Y16@143.2,47.5 ; v1(142.7,49) IC4.V16@143.2,49.5 ; v1(142.7,52) IC4.T16@143.2,51.5 ; v1(142.7,54) IC4.P16@143.2,53.5 ; v1(142.7,56) IC4.M16@143.2,55.5 ; v1(142.7,58) IC4.K16@143.2,57.5 ; v1(143.7,42) IC4.AE17@144.2,42.5 ; v1(143.7,44) IC4.AC17@144.2,44.5 ; v1(143.7,46) IC4.AA17@144.2,46.5 ; v1(143.7,53) IC4.R17@144.2,52.5 ; v1(143.7,55) IC4.N17@144.2,54.5 ; v1(143.7,57) IC4.L17@144.2,56.5 ; IC4.AD18@145.2,43.5 v1(145.7,43) ; IC4.AB18@145.2,45.5 v1(145.7,45) ; IC4.Y18@145.2,47.5 v1(145.7,47) ; IC4.P18@145.2,53.5 v1(145.7,54) ; IC4.M18@145.2,55.5 v1(145.7,56) ; IC4.K18@145.2,57.5 v1(145.7,58) ; IC4.AE19@146.2,42.5 v1(146.7,42) ; IC4.AC19@146.2,44.5 v1(146.7,44) ; IC4.AA19@146.2,46.5 v1(146.7,46) ; IC4.W19@146.2,48.5 v1(146.7,48) ; IC4.U19@146.2,50.5 v1(146.7,51) ; IC4.R19@146.2,52.5 v1(146.7,53) ; IC4.N19@146.2,54.5 v1(146.7,55) ; IC4.L19@146.2,56.5 v1(146.7,57) ; IC4.AD20@147.2,43.5 v1(147.7,43) ; IC4.K20@147.2,57.5 v1(147.7,58) ; IC4.AE21@148.2,42.5 v1(148.7,42) ; IC4.L21@148.2,56.5 v1(148.7,57) ; IC4.AD22@149.2,43.5 v1(149.7,43)
  Layer 3 w0.15: v1(7.152,42.694) 7.152,41.348 23.8,24.7 23.8,20.175 28.75,15.225 35.175,15.225 43.181,7.219 55.794,7.219 57.025,8.45 65.612,8.45 70.262,3.8 78.575,3.8 80.817,6.042 83.783,6.042 84.95,4.875 87,4.875 88.175,3.7 106.225,3.7 108.483,5.958 111.417,5.958 111.425,5.95 113.2,5.95 115.425,3.725 128.325,3.725 130.8,6.2 135.7,6.2 142.675,13.175 142.675,14.24 141.015,15.9 141.015,16.26 v3(137.85,19.425)
  BottomLayer w0.127: T8.1@7.15,43.45 7.152,43.448 v1(7.152,42.694)
  BottomLayer w0.3: C358.2@140.4,59.675 140.275,59.55 139.52,59.55 139.15,59.18 139.15,57.914 139.514,57.55 140.231,57.55 140.681,58 v1(140.7,58)
  BottomLayer w0.4: C357.2@139.75,49.7 140.45,49 v1(140.7,49) v1(141.7,48) ; v1(140.7,45) v1(141.7,44) ; 140.9,45.2 v1(141.7,46) ; C104.2@141.05,52.525 141.025,52.525 141.025,52.333 141.017,52.325 141.017,52.32 140.7,52.003 v1(140.7,52) v1(141.7,53) ; C95.2@141.05,54.5 C95.2@141.2,54.5 ; C373.2@141.05,58.488 141.025,58.488 141.025,58.322 140.957,58.254 140.957,58.234 140.723,58 v1(140.7,58) v1(141.7,57) ; v1(141.7,42) v1(142.7,43) ; C374.2@143.05,58.475 143.025,58.475 143.025,58.32 142.946,58.241 142.946,58.221 142.724,58 v1(142.7,58) v1(141.7,57) ; C352.2@144.54,48.385 C352.2@144.65,48.275 C352.2@144.76,48.385 ; C352.2@144.65,48.5 146.2,48.5 v1(146.7,48) v1(145.7,47) 145.26,46.56 144.76,46.56 C134.2@144.65,46.45 144.54,46.34 144.04,46.34 v1(143.7,46) ; C356.2@144.665,52.785 C356.2@144.775,52.675 144.025,52.675 v1(143.7,53) ; C352.2@144.76,48.5 143.2,48.5 v1(142.7,49) v1(141.7,48) ; C107.2@146.35,45.5 146.375,45.5 146.375,45.675 v1(146.7,46) v1(145.7,45) ; C376.2@146.35,55.475 146.225,55.475 v1(145.7,56) ; C143.2@146.675,50.3 146.7,50.325 v1(146.7,51) ; v1(146.7,42) 146.458,42.242 146.458,42.258 145.717,43 v1(145.7,43) ; v1(146.7,53) v1(145.7,54) ; v1(146.7,55) v1(145.7,54) ; C375.2@147.35,57.475 147.175,57.475 v1(146.7,57) ; v1(148.7,57) 149.2,57.5 149.907,57.5 149.989,57.418 C124.2@150.282,57.418 ; C380.2@149.35,42.475 149.175,42.475 v1(148.7,42) ; C123.2@150.382,43.318 150.226,43.318 149.908,43 v1(149.7,43) v1(148.7,42) ; C95.2@141.2,54.5 v1(140.7,54) v1(141.7,53) ; C95.2@141.2,54.5 v1(141.7,55) ; v1(141.7,44) v1(142.7,45) ; v1(141.7,44) v1(140.7,43) v1(141.7,44) ; v1(141.7,44) v1(142.7,43) ; v1(141.7,46) v1(142.7,45) ; v1(141.7,46) v1(140.7,47) v1(141.7,48) ; v1(141.7,46) v1(142.7,47) ; v1(141.7,48) v1(142.7,47) ; v1(141.7,53) v1(142.7,52) v1(143.7,53) ; v1(141.7,53) v1(142.7,54) ; v1(141.7,55) v1(142.7,54) ; v1(141.7,55) v1(140.7,56) v1(141.7,57) ; v1(141.7,55) v1(142.7,56) ; v1(141.7,57) v1(142.7,56) ; v1(142.7,43) v1(143.7,42) 144.39,42.69 144.54,42.69 144.76,42.91 144.915,42.91 145.005,43 v1(145.7,43) ; v1(142.7,43) v1(143.7,44) ; v1(142.7,45) v1(143.7,44) ; v1(142.7,45) v1(143.7,46) ; v1(142.7,47) v1(143.7,46) ; v1(142.7,54) v1(143.7,53) ; v1(142.7,54) v1(143.7,55) ; v1(142.7,56) v1(143.7,55) ; v1(142.7,56) v1(143.7,57) ; v1(143.7,44) 144.215,44.515 144.54,44.515 C110.2@144.65,44.625 144.76,44.735 145.435,44.735 v1(145.7,45) ; v1(143.7,55) 144.09,54.61 144.665,54.61 C135.2@144.775,54.5 144.885,54.39 145.31,54.39 v1(145.7,54) ; v1(143.7,57) 144.29,56.41 144.665,56.41 C355.2@144.775,56.3 144.885,56.19 145.51,56.19 v1(145.7,56) ; v1(143.7,57) 143.7,57.293 144.2,57.793 144.2,57.806 144.434,58.04 144.665,58.04 C361.2@144.775,58.15 145.55,58.15 v1(145.7,58) v1(146.7,57) ; v1(145.7,43) v1(146.7,44) ; v1(145.7,45) v1(146.7,44) ; v1(145.7,56) v1(146.7,57) ; v1(146.7,44) v1(147.7,43) v1(148.7,42)
  other v3: 136.55,19.425 137.2,19.425 136.55,20.15 137.2,20.15 137.85,20.15 136.55,20.85 137.2,20.85 137.85,20.85 144.575,30.4 143.925,31.05 144.75,31.575 144.025,32.125 144.675,32.7
P1V2: C387.2 C388.2 FB1.1 FB2.1 IC23.1 IC23.32 R152.2 T10.1 TP11.1 | length 194.3
  TopLayer w0.127: 117.45,8.087 117.476,8.114 119.036,8.114 119.925,7.225 R152.2@119.925,6.126
  TopLayer w0.15: 123.325,17.875 123.35,17.85 TP11.1@125.475,17.85
  TopLayer w2: 117.45,8.39 117.79,8.39 121.725,12.325 121.725,20.825 124.025,23.125 124.025,38.35 120.65,41.725 120.65,54.857 121.95,56.157
  Layer 3 w0.15: v1(9.825,46.892) 10.493,47.561 18.392,47.561 26.001,39.951 26.001,35.398 34.529,26.87 34.529,22.071 37.717,18.883 39.272,18.883 48.805,9.35 54.912,9.35 56.142,10.581 66.494,10.581 69.95,7.125 84.6,7.125 85.025,6.7 86,6.7 86.35,7.05 92,7.05 92.575,7.625 101.2,7.625 101.7,8.125 119.814,8.125 120.126,7.813 v5(120.173,7.813)
  BottomLayer w0.15: T10.1@9.75,47.65 9.825,47.575 v1(9.825,46.892)
P1V5: C86.2 C92.2 C150.2 C153.2 C154.2 C155.2 C156.2 C170.2 C171.2 C176.2 C302.2 C381.2 C451.2 C452.2 C453.2 C454.2 C455.2 C456.2 C457.2 C458.2 C459.2 C460.2 C461.2 C462.2 C463.2 C464.2 C465.2 C466.2 C467.2 C468.2 C469.2 C470.2 C480.2 C481.2 C482.2 C483.2 C484.2 C485.2 IC4.AA6 IC4.AB3 IC4.AC10 IC4.AD7 IC4.AE4 IC4.AF1 IC4.AF11 IC4.AG8 IC4.AH5 IC4.V5 IC4.W2 IC4.Y9 IC8.A1 IC8.A8 IC8.B2 IC8.C1 IC8.C9 IC8.D2 IC8.D9 IC8.E9 IC8.F1 IC8.G7 IC8.H2 IC8.H9 IC8.K2 IC8.K8 IC8.N1 IC8.N9 IC8.R1 IC8.R9 IC9.2 IC23.22 IC23.23 IC36.A1 IC36.A8 IC36.B2 IC36.C1 IC36.C9 IC36.D2 IC36.D9 IC36.E9 IC36.F1 IC36.G7 IC36.H2 IC36.H9 IC36.K2 IC36.K8 IC36.N1 IC36.N9 IC36.R1 IC36.R9 R59.2 R63.2 R128.1 T9.1 TP10.1 | length 205.4
  TopLayer w0.127: R59.2@102.49,5.447 102.49,7.915
  TopLayer w0.22: IC8.H9@101.597,45.275 IC8.H9@101.6,45.275 ; IC8.C9@101.597,49.275 IC8.C9@101.6,49.275 ; IC36.H9@114.822,45.275 IC36.H9@114.825,45.275 ; IC36.C9@114.822,49.275 IC36.C9@114.825,49.275
  TopLayer w0.254: R63.2@77.475,13.545 77.475,14.8 77.05,15.225 77.05,19.45 84.95,27.35 84.95,27.8 ; TP10.1@93.631,7.175 93.731,7.075 v5(94.95,7.075) 94.95,9.15 95.125,9.325 95.75,9.95 97.1,9.95
  TopLayer w0.3: IC9.2@82.419,43.325 83.303,43.325 83.886,42.742 C176.2@83.936,42.742 84.144,42.95 v1(84.7,42.95) ; C176.2@84.146,42.444 v1(84.702,42.444) ; v1(94.8,47.272) IC8.F1@95.2,46.872 ; v1(94.8,49.672) IC8.C1@95.2,49.272 ; v1(94.8,51.272) IC8.A1@95.2,50.872 ; v1(94.803,39.275) IC8.R1@95.203,39.675 ; v1(94.803,40.875) IC8.N1@95.203,41.275 ; v1(95.6,48.872) IC8.D2@96,48.472 ; v1(95.6,50.472) IC8.B2@96,50.072 ; v1(95.603,43.275) IC8.K2@96.003,43.675 ; IC8.H2@96,45.275 v1(96.4,45.675) ; IC8.G7@99.997,46.075 v1(100.397,46.475) ; IC8.A8@100.797,50.875 v1(101.197,51.275) ; IC8.K8@100.8,43.678 v1(101.2,43.278) ; IC8.H9@101.597,45.275 v1(101.997,45.675) ; IC8.E9@101.597,47.675 v1(101.997,48.075) ; IC8.D9@101.597,48.475 v1(101.997,48.875) ; IC8.C9@101.597,49.275 v1(101.997,49.675) ; IC8.R9@101.6,39.678 v1(102,39.278) ; IC8.N9@101.6,41.278 v1(102,40.878) ; v1(108.025,47.272) IC36.F1@108.425,46.872 ; v1(108.025,49.672) IC36.C1@108.425,49.272 ; v1(108.025,51.272) IC36.A1@108.425,50.872 ; v1(108.028,39.275) IC36.R1@108.428,39.675 ; v1@108.028,40.875 IC36.N1@108.428,41.275 ; v1(108.825,45.672) IC36.H2@109.225,45.272 ; v1(108.825,48.872) IC36.D2@109.225,48.472 ; v1(108.825,50.472) IC36.B2@109.225,50.072 ; v1(108.828,43.275) IC36.K2@109.228,43.675 ; IC36.G7@113.222,46.075 v1(113.622,46.475) ; IC36.K8@114.022,43.675 114.022,43.651 114.29,43.382 114.29,43.31 v1(114.3,43.3) ; IC36.A8@114.022,50.875 v1(114.422,51.275) ; IC36.H9@114.822,45.275 v1(115.222,45.675) ; IC36.E9@114.822,47.675 v1(115.222,48.075) ; IC36.D9@114.822,48.475 v1(115.222,48.875) ; IC36.C9@114.822,49.275 v1(115.222,49.675) ; IC36.R9@114.825,39.678 v1(115.225,39.278) ; IC36.N9@114.825,41.278 v1(115.225,40.878)
  TopLayer w0.4: v5(111.85,36.748) 111.869,36.729 111.869,36.681 C150.2@112.6,35.95 ; C150.2@112.6,35.175 C150.2@112.6,35.95 ; v5(113.4,36.775) 113.4,36.75 C150.2@112.6,35.95 ; v1(127.7,41) IC4.AF1@128.2,41.5 ; v1(128.7,48) IC4.W2@129.2,48.5 ; v1(129.7,45) IC4.AB3@130.2,45.5 ; v1(130.7,42) IC4.AE4@131.2,42.5 ; v1(131.7,39) IC4.AH5@132.2,39.5 ; v1(131.7,49) IC4.V5@132.2,49.5 ; v1(132.7,46) IC4.AA6@133.2,46.5 ; v1(133.7,43) IC4.AD7@134.2,43.5 ; v1(134.7,40) IC4.AG8@135.2,40.5 ; v1(135.7,47) IC4.Y9@136.2,47.5 ; v1(136.7,44) IC4.AC10@137.2,44.5 ; v1(137.7,41) IC4.AF11@138.2,41.5
  TopLayer w2: 82.25,38.475 82.25,30.5 84.95,27.8
  Layer 3 w0.15: v1(15.485,42.529) 15.485,41.561 19.146,37.9 19.146,36.154 29.4,25.9 29.993,25.9 37.51,18.383 39.065,18.383 48.598,8.85 55.119,8.85 56.349,10.081 66.287,10.081 69.672,6.695 84.505,6.695 85.25,5.95 88.049,5.95 88.695,6.597 94.522,6.597 94.95,7.025 v5(94.95,7.075)
  BottomLayer w0.15: C170.2@116.15,49.675 C170.2@116.175,49.65
  BottomLayer w0.2: R128.1@79.719,41.13 79.719,40.525 v2(80.019,40.225)
  BottomLayer w0.254: T9.1@15.45,43.35 15.468,43.332 15.468,42.547 v1(15.485,42.529)
  BottomLayer w0.3: C462.2@93.824,46.923 93.971,47.07 94.584,47.07 94.786,47.272 v1(94.8,47.272) ; C467.2@93.824,49.631 93.856,49.663 94.79,49.663 v1(94.8,49.672) ; C460.2@93.824,51.465 94.594,51.465 94.786,51.272 v1(94.8,51.272) ; C454.2@93.875,40.725 94.015,40.865 94.793,40.865 v1(94.803,40.875) ; C452.2@93.9,39.325 93.941,39.284 94.793,39.284 v1(94.803,39.275) ; C466.2@94.85,43.875 95.01,43.715 95.152,43.715 v1@95.582,43.284 ; v1(101.997,45.675) 102.007,45.685 102.885,45.685 C465.2@102.9,45.7 ; v1(101.997,48.075) 102.011,48.075 102.176,48.24 102.74,48.24 C456.2@102.9,48.4 ; v1(101.997,49.675) 102.007,49.685 102.86,49.685 C171.2@102.9,49.725 ; v1(102,39.278) 102.01,39.268 102.782,39.268 C455.2@102.9,39.15 ; v1(102,40.878) 102.01,40.887 102.787,40.887 C453.2@102.9,41 ; C457.2@107.05,40.675 107.814,40.675 108.014,40.875 v1(108.028,40.875) ; C463.2@107.054,47.035 107.788,47.035 v1(108.025,47.272) ; C470.2@107.054,49.732 107.114,49.672 v1@108.011,49.672 ; C461.2@107.054,51.561 107.736,51.561 v1(108.025,51.272) ; C459.2@107.075,39.325 107.115,39.284 108.018,39.284 v1(108.028,39.275) ; C469.2@107.55,42.7 108.253,42.7 v1(108.828,43.275) ; v1(115.222,45.675) 115.232,45.685 116.135,45.685 C464.2@116.175,45.725 ; v1(115.222,48.075) 115.591,48.444 116.144,48.444 C458.2@116.175,48.475 ; v1(115.222,49.675) C170.2@116.15,49.675 ; v1(115.225,39.278) 115.235,39.268 116.058,39.268 C468.2@116.125,39.201 ; v1(115.225,40.878) 115.239,40.878 115.357,40.996 116.074,40.996 C451.2@116.125,41.048
  BottomLayer w0.4: C484.2@127,40.425 127,40.45 127.025,40.475 127.153,40.475 127.678,41 v1(127.7,41) ; v1(129.7,45) 129.709,45 130.209,44.5 C156.2@130.35,44.5 ; v1(130.7,42) 131.2,42.5 C154.2@131.35,42.5 ; C92.2@131.018,49.682 v1(131.7,49) ; C155.2@131.05,39.5 131.185,39.5 131.685,39 v1(131.7,39) ; C482.2@132.225,46.475 v1(132.7,46) ; C481.2@133.7,40.076 133.776,40 v1(134.7,40) 134.7,40.053 135.185,40.538 135.371,40.538 135.396,40.563 C483.2@135.396,40.588 ; v1(133.7,43) 133.718,42.982 134.421,42.982 C480.2@134.493,42.911 ; v1(135.7,47) 136.2,46.5 C153.2@136.35,46.5 ; v1(136.7,44) 136.7,44.02 137.17,44.49 137.283,44.49 C485.2@137.308,44.515 ; C86.2@137.118,41.318 137.274,41.318 137.385,41.207 137.493,41.207 v1(137.7,41)
  other v3: 82.5,37.925 81.75,37.95 82.775,38.575 81.675,38.625 82.225,39.125
P1V8: C137.2 C144.2 IC6.22 IC6.23 L7.1 R39.2 R40.2 T15.1 TP12.1 | length 145.2
  TopLayer w0.15: R40.2@122.061,6.106 122.065,6.11 R39.2@122.986,6.11 126.101,6.11 126.475,6.484 126.475,7.325 ; v6(124.225,8.775) 124.812,8.775 124.828,8.759 ; 128.525,7.425 128.6,7.35 TP12.1@128.6,5.175
  Layer 3 w0.15: v1(11.722,42.649) 12.204,42.649 16.1,38.753 16.1,34.7 25.7,25.1 25.7,20.72 30.62,15.8 35.775,15.8 43.525,8.05 55.45,8.05 56.681,9.281 65.956,9.281 68.921,6.315 84.21,6.315 85.15,5.375 103.575,5.375 104.725,6.525 113.175,6.525 113.65,7 117.438,7 118.388,6.05 121.15,6.05 123.875,8.775 v6(124.225,8.775)
  BottomLayer w0.15: T15.1@11.7,43.4 11.722,43.378 v1(11.722,42.649)
P1V8_USB: C206.2 IC18.2 IC18.31 IC18.43 | length 25.2
  TopLayer w0.3: v2(21.281,65.586) 22.086,65.586 22.515,66.015 IC18.31@22.515,66.408 ; IC18.2@27.515,74.308 27.515,74.759 27.854,75.098 30.301,75.098 C206.2@30.469,74.93 ; IC18.43@28.767,67.056 v2@30.48,67.056 ; v1(30.15,73.85) 30.15,74.174 30.519,74.543 30.519,74.88 C206.2@30.427,74.972
  Layer 3 w0.3: v2(21.281,65.586) 21.898,65.586 22.464,66.152 29.576,66.152 30.48,67.056 30.48,73.52 v1(30.15,73.85)
  other v2: 30.48,67.031